# Altium PCB subboard.PcbDoc (part 2 of 2) (continued)
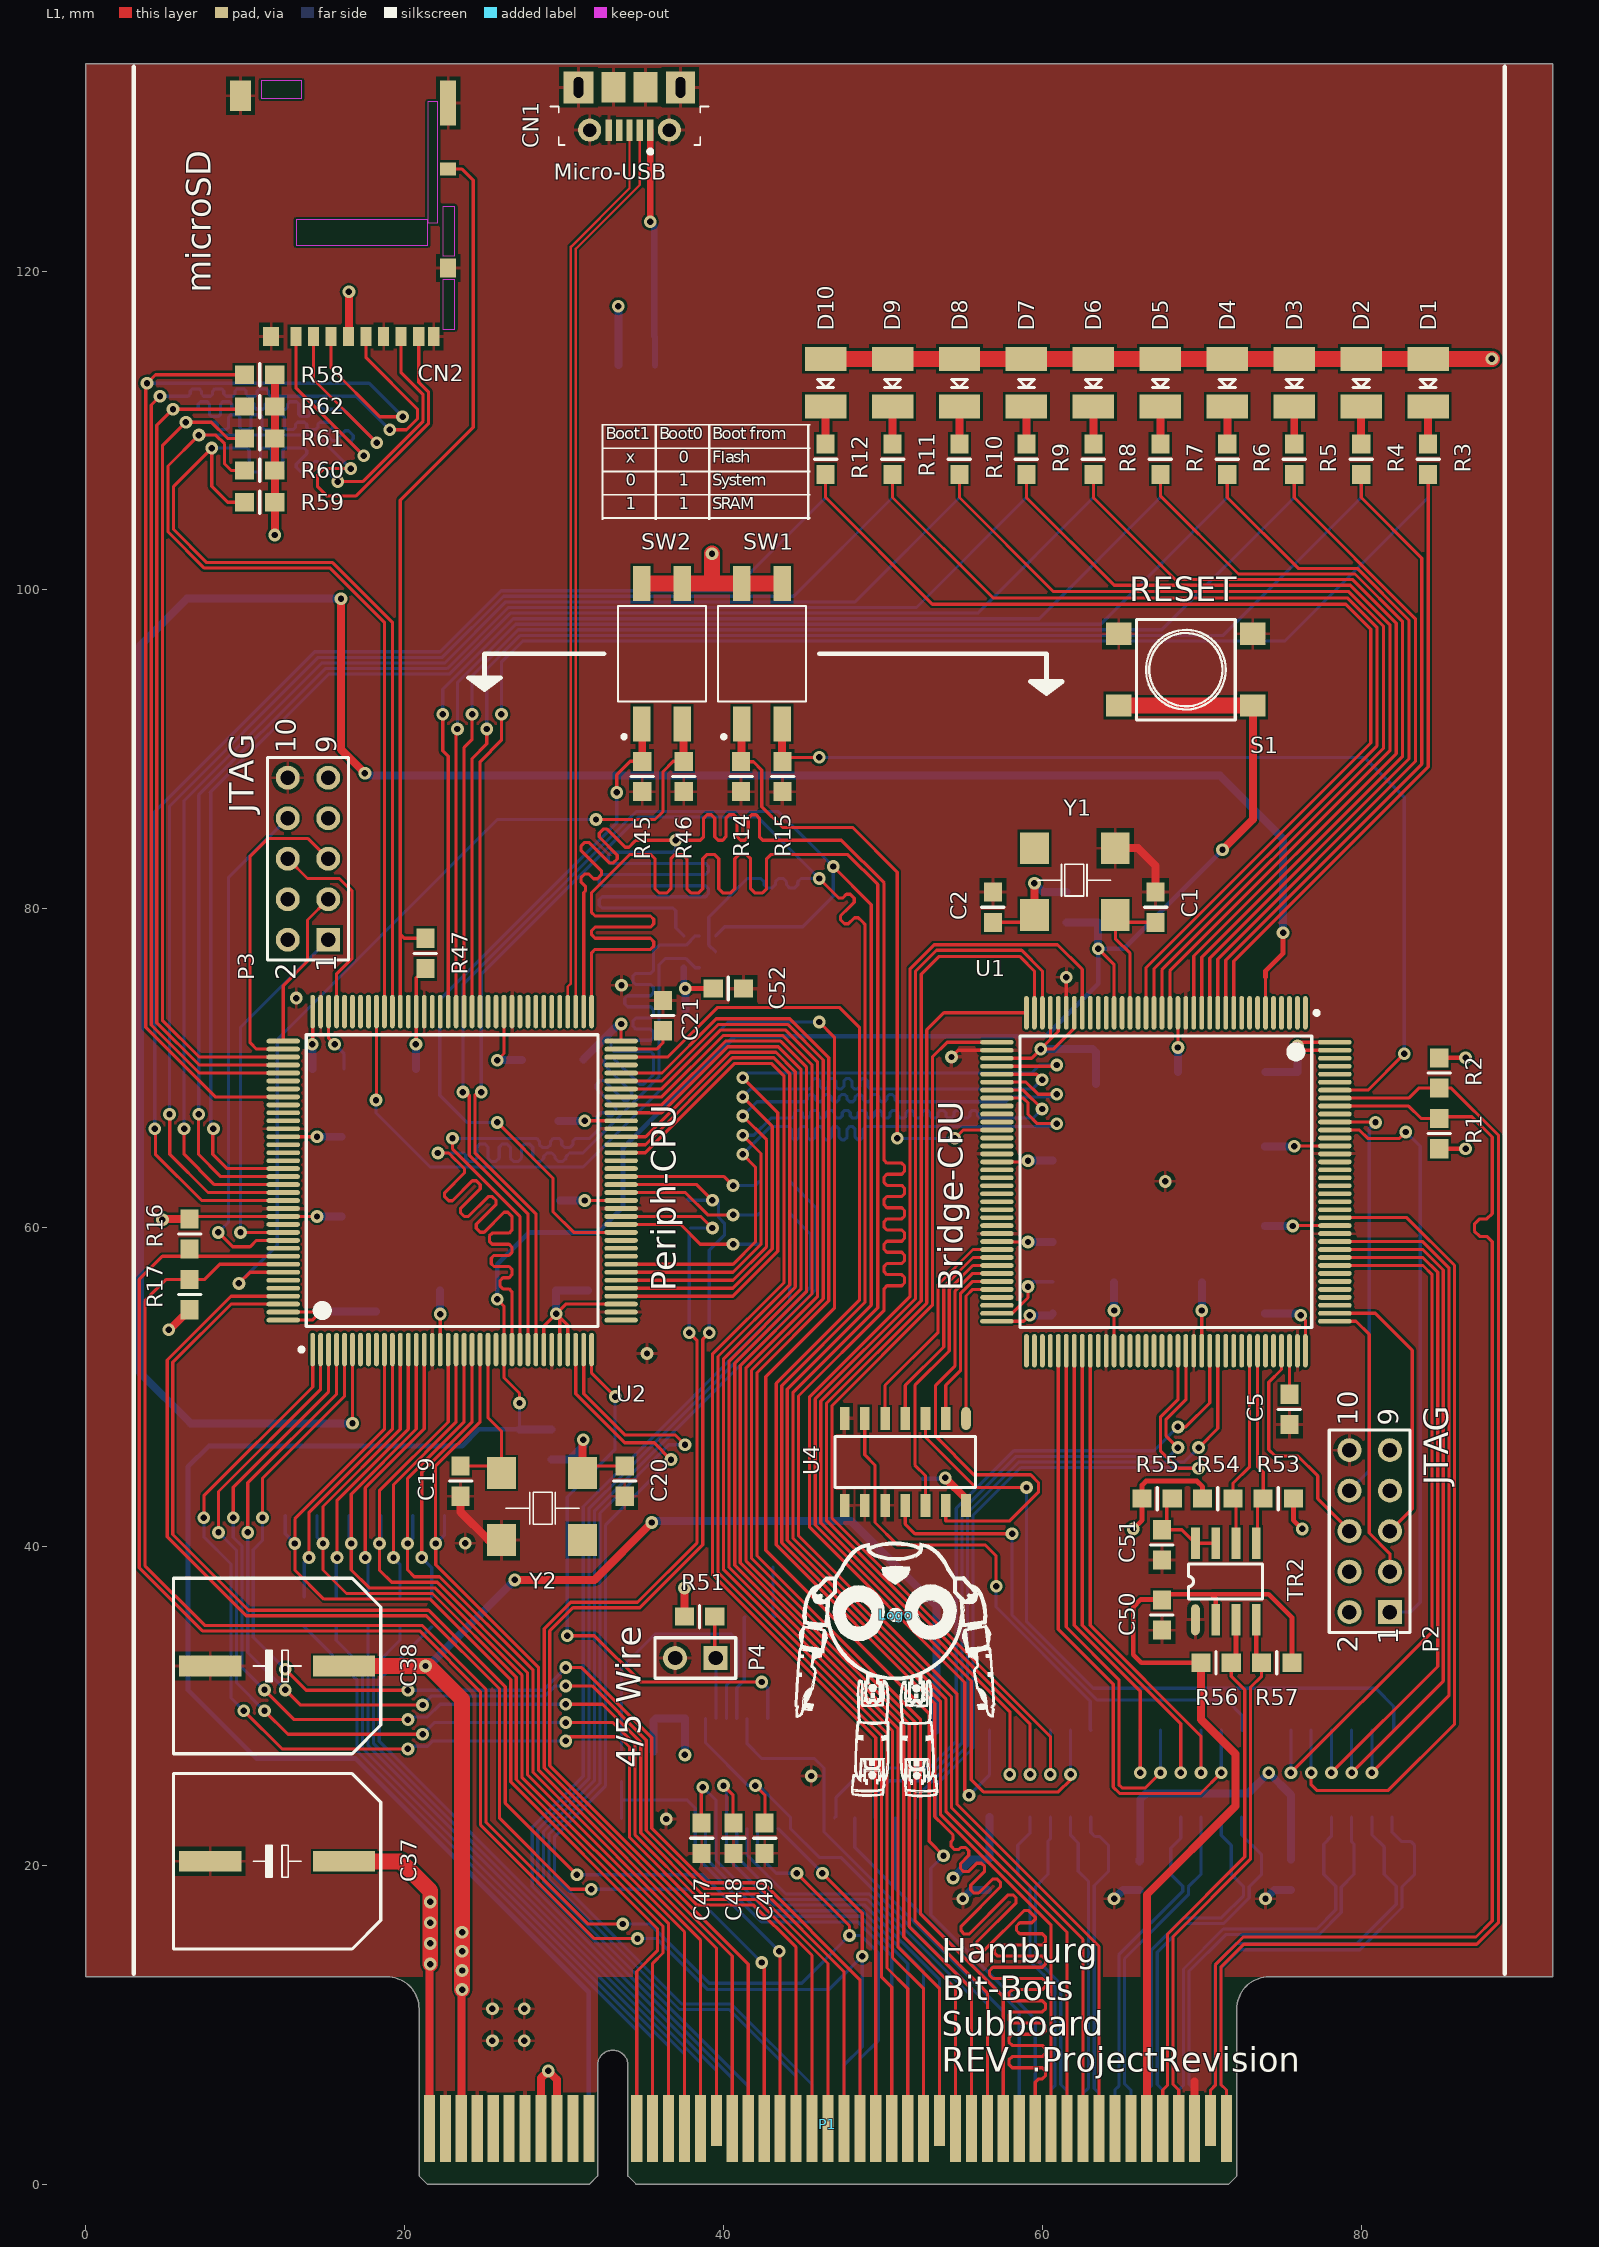
[diagram p0: L1 view]
## Nets (pads, with @x,y where several pads share a name; then routed paths per layer and width w, separated by ;. In a path a pad name is that pad's centre, name@x,y a point inside that pad or via, vN(x,y) a via of type N, cw(c..) or ccw(c..) an arc to the next point about the centre after c; other vN are vias at no path point) (continued)
  L4 w0.2: v1(24.8,68.5) 24.8,75.9 34.65,85.75 42.15,85.75 v1(46,81.9) 44.9,81.9 44.859,81.9 44.649,81.69 44.649,81.51 44.439,81.3 44.159,81.3 43.949,81.51 43.949,81.69 43.739,81.9 43.459,81.9 43.249,81.69 43.249,81.51 43.039,81.3 42.759,81.3 42.549,81.51 42.549,81.69 42.339,81.9 41.849,81.9 41.499,81.9 39.075,79.476 39.075,77.725 U7.D3@39.5,77.3
SPI1_1.\SS: U1.40 U2.40 | length 46.7
  L1 w0.2: U2.40@33.575,55.7 40.58,55.7 43.4,58.52 43.4,67.2 v1(41.2,69.4) ; U1.40@57.15,70.125 60.637,70.125 60.731,70.031 v1(60.9,70.2)
  L4 w0.2: v1(41.2,69.4) 41.5,69.7 59.339,69.7 59.839,70.2 v1(60.9,70.2)
SPI1_1.GPIO: U1.44 U2.44 | length 46.6
  L1 w0.2: U2.44@33.575,57.7 40.6,57.7 42,59.1 42,63.8 v1(41.2,64.6) ; U1.44@57.15,68.125 58.803,68.125 59.1,67.828 59.1,67.1 59.677,66.523 v1(60.9,66.523)
  L4 w0.2: v1(41.2,64.6) 42.95,66.35 43.5,66.35 43.75,66.35 44.075,66.35 44.25,66.175 44.25,65.675 44.425,65.5 44.575,65.5 44.75,65.675 44.75,66.175 44.925,66.35 45.075,66.35 45.25,66.175 45.25,65.675 45.425,65.5 45.575,65.5 45.75,65.675 45.75,66.175 45.925,66.35 46.075,66.35 46.25,66.175 46.25,65.675 46.425,65.5 46.575,65.5 46.75,65.675 46.75,66.175 46.925,66.35 47.075,66.35 47.25,66.175 47.25,65.675 47.425,65.5 47.575,65.5 47.75,65.675 47.75,66.175 47.925,66.35 48.075,66.35 48.25,66.175 48.25,65.675 48.425,65.5 48.575,65.5 48.75,65.675 48.75,66.175 48.925,66.35 49.25,66.35 49.7,66.35 60.727,66.35 v1(60.9,66.523)
SPI1_1.MISO: U1.42 U2.42 | length 46.4
  L1 w0.2: U2.42@33.575,56.7 40.59,56.7 42.7,58.81 42.7,65.5 v1(41.2,67) ; U1.42@57.15,69.125 58.975,69.125 59.738,68.362 v1(60.9,68.362)
  L4 w0.2: v1(41.2,67) 42.1,67.9 45,67.9 45.1,67.9 45.25,68.05 45.25,68.2 45.4,68.35 45.6,68.35 45.75,68.2 45.75,68.05 45.9,67.9 46.1,67.9 46.25,68.05 46.25,68.2 46.4,68.35 46.6,68.35 46.75,68.2 46.75,68.05 46.9,67.9 47.1,67.9 47.25,68.05 47.25,68.2 47.4,68.35 47.6,68.35 47.75,68.2 47.75,68.05 47.9,67.9 48.1,67.9 48.25,68.05 48.25,68.2 48.4,68.35 48.6,68.35 48.75,68.2 48.75,68.05 48.9,67.9 49.1,67.9 49.25,68.05 49.25,68.2 49.4,68.35 49.6,68.35 49.75,68.2 49.75,68.05 49.9,67.9 50.1,67.9 50.25,68.05 50.25,68.2 50.4,68.35 50.6,68.35 50.75,68.2 50.75,68.05 50.9,67.9 51.25,67.9 51.3,67.9 57.7,67.9 57.992,68.192 60.731,68.192 v1(60.9,68.362)
SPI1_1.MOSI: U1.43 U2.43 | length 46.8
  L1 w0.2: U2.43@33.575,57.2 40.595,57.2 42.35,58.955 42.35,64.65 v1(41.2,65.8) ; U1.43@57.15,68.625 58.798,68.625 v1(59.981,67.442)
  L4 w0.2: v1(41.2,65.8) 41.905,65.8 42.978,66.873 44.2,66.873 44.3,66.873 44.45,67.023 44.45,67.2 44.6,67.35 44.8,67.35 44.95,67.2 44.95,67.023 45.1,66.873 45.3,66.873 45.45,67.023 45.45,67.2 45.6,67.35 45.8,67.35 45.95,67.2 45.95,67.023 46.1,66.873 46.3,66.873 46.45,67.023 46.45,67.2 46.6,67.35 46.8,67.35 46.95,67.2 46.95,67.023 47.1,66.873 47.3,66.873 47.45,67.023 47.45,67.2 47.6,67.35 47.8,67.35 47.95,67.2 47.95,67.023 48.1,66.873 48.3,66.873 48.45,67.023 48.45,67.2 48.6,67.35 48.8,67.35 48.95,67.2 48.95,67.023 49.1,66.873 49.3,66.873 49.45,67.023 49.45,67.2 49.6,67.35 49.8,67.35 49.95,67.2 49.95,67.023 50.1,66.873 50.3,66.873 50.45,67.023 50.45,67.2 50.6,67.35 50.8,67.35 50.95,67.2 50.95,67.023 51.1,66.873 51.3,66.873 51.45,67.023 51.45,67.2 51.6,67.35 51.8,67.35 51.95,67.2 51.95,67.023 52.1,66.873 52.3,66.873 52.45,67.023 52.45,67.2 52.6,67.35 52.8,67.35 52.95,67.2 52.95,67.023 53.1,66.873 53.3,66.873 53.45,67.023 53.45,67.2 53.6,67.35 53.8,67.35 53.95,67.2 53.95,67.023 54.1,66.873 54.3,66.873 54.45,67.023 54.45,67.2 54.6,67.35 54.8,67.35 54.95,67.2 54.95,67.023 55.1,66.873 55.3,66.873 55.45,67.023 55.45,67.2 55.6,67.35 55.8,67.35 55.95,67.2 55.95,67.023 56.1,66.873 56.2,66.873 59.412,66.873 v1(59.981,67.442)
SPI1_1.SCK: U1.41 U2.41 | length 46.8
  L1 w0.2: U2.41@33.575,56.2 40.585,56.2 43.05,58.665 43.05,66.35 v1(41.2,68.2) ; U1.41@57.15,69.625 59.637,69.625 v1(59.981,69.281)
  L4 w0.2: v1(41.2,68.2) 41.7,68.7 45.3,68.7 45.4,68.7 45.55,68.85 45.55,69.2 45.7,69.35 45.9,69.35 46.05,69.2 46.05,68.85 46.2,68.7 46.4,68.7 46.55,68.85 46.55,69.2 46.7,69.35 46.9,69.35 47.05,69.2 47.05,68.85 47.2,68.7 47.4,68.7 47.55,68.85 47.55,69.2 47.7,69.35 47.9,69.35 48.05,69.2 48.05,68.85 48.2,68.7 48.4,68.7 48.55,68.85 48.55,69.2 48.7,69.35 48.9,69.35 49.05,69.2 49.05,68.85 49.2,68.7 49.55,68.7 49.8,68.7 59.4,68.7 v1(59.981,69.281)
SPI2.\SS: P1.B40 U2.73 | length 146.4
  L1 w0.2: U2.73@31.725,73.55 31.725,76.4 31.725,76.75 31.725,77.24 31.935,77.45 35.415,77.45 35.625,77.66 35.625,77.94 35.415,78.15 31.935,78.15 31.725,78.36 31.725,78.64 31.935,78.85 35.415,78.85 35.625,79.06 35.625,79.34 35.415,79.55 31.935,79.55 31.725,79.76 31.725,80.1 31.725,81.025 34.1,83.4 34.2,83.4 34.7,83.4 35.45,83.4 35.7,83.15 35.7,81.25 35.95,81 36.45,81 36.7,81.25 36.7,83.15 36.95,83.4 37.45,83.4 37.7,83.15 37.7,81.25 37.95,81 38.45,81 38.7,81.25 38.7,83.15 38.95,83.4 39.45,83.4 39.7,83.15 39.7,81.25 39.95,81 40.45,81 40.7,81.25 40.7,83.15 40.95,83.4 41.45,83.4 41.7,83.15 41.7,81.25 41.95,81 42.45,81 42.7,81.25 42.7,83.15 42.95,83.4 43,83.4 47.8,83.4 49.669,81.531 49.669,54.972 44.35,49.653 44.35,40.53 54.3,30.58 54.3,23.597 62.55,15.347 P1.B40@62.55,3.5
SPI2.GPIO: P1.B37 U2.70 | length 146.5
  L1 w0.2: U2.70@33.575,70.7 36.5,70.7 39.6,73.8 47.3,73.8 48.519,72.581 48.519,55.448 43.3,50.229 43.3,40.095 53.25,30.145 53.25,23.05 53.8,22.5 54.047,22.253 54.394,21.906 54.394,21.609 54.271,21.486 54.271,21.189 54.469,20.991 54.766,20.991 54.889,21.114 55.186,21.114 55.384,20.916 55.384,20.619 54.861,20.096 54.861,19.799 55.059,19.601 55.356,19.601 55.879,20.124 56.176,20.124 56.374,19.926 56.374,19.629 55.501,18.756 55.501,18.459 55.699,18.261 55.996,18.261 56.869,19.134 57.166,19.134 57.364,18.936 57.364,18.639 54.903,16.178 54.903,15.881 55.101,15.683 55.398,15.683 57.859,18.144 58.156,18.144 58.354,17.946 58.354,17.649 55.893,15.189 55.893,14.892 56.091,14.694 56.388,14.694 58.849,17.154 59.146,17.154 59.492,16.808 59.55,16.75 59.55,16.61 59.34,16.4 58.589,16.4 58.379,16.19 58.379,15.91 58.589,15.7 59.55,15.7 59.99,15.7 60.2,15.49 60.2,15.21 59.99,15 59.55,15 57.189,15 56.979,14.79 56.979,14.51 57.189,14.3 59.55,14.3 59.99,14.3 60.2,14.09 60.2,13.81 59.99,13.6 59.55,13.6 56.895,13.6 56.685,13.39 56.685,13.11 56.895,12.9 59.55,12.9 59.99,12.9 60.2,12.69 60.2,12.41 59.99,12.2 59.55,12.2 58.11,12.2 57.9,11.99 57.9,11.71 58.11,11.5 59.55,11.5 59.99,11.5 60.2,11.29 60.2,11.01 59.99,10.8 59.55,10.8 58.11,10.8 57.9,10.59 57.9,10.31 58.11,10.1 59.55,10.1 59.99,10.1 60.2,9.89 60.2,9.61 59.99,9.4 59.55,9.4 58.11,9.4 57.9,9.19 57.9,8.91 58.11,8.7 59.55,8.7 59.99,8.7 60.2,8.49 60.2,8.21 59.99,8 59.55,8 58.11,8 57.9,7.79 57.9,7.51 58.11,7.3 59.55,7.3 59.99,7.3 60.2,7.09 60.2,6.81 59.99,6.6 59.76,6.6 59.55,6.39 59.55,6.1 P1.B37@59.55,3.5
SPI2.SCK: P1.B41 U2.74 U7.B2 | length 187.4
  L1 w0.2: U2.74@31.225,73.55 31.225,81.02 31.349,81.144 31.349,81.391 31.051,81.689 31.051,81.936 31.299,82.184 31.546,82.184 31.844,81.886 32.091,81.886 32.339,82.134 32.339,82.381 31.051,83.669 31.051,83.916 31.299,84.164 31.546,84.164 32.834,82.876 33.081,82.876 33.329,83.124 33.329,83.371 32.198,84.502 32.198,84.749 32.445,84.997 32.693,84.997 33.824,83.866 34.071,83.866 34.405,84.2 34.505,84.3 v1(37,84.3) 38.4,84.3 38.54,84.3 38.75,84.51 38.75,85.69 38.96,85.9 39.24,85.9 39.45,85.69 39.45,84.51 39.66,84.3 39.94,84.3 40.15,84.51 40.15,85.69 40.36,85.9 40.64,85.9 40.85,85.69 40.85,84.51 41.06,84.3 41.34,84.3 41.55,84.51 41.55,85.69 41.76,85.9 42.04,85.9 42.25,85.69 42.25,84.51 42.46,84.3 42.95,84.3 43.4,84.3 47.395,84.3 50.069,81.626 50.069,64.6 50.069,64.225 50.244,64.05 51.175,64.05 51.35,63.875 51.35,63.525 51.175,63.35 50.244,63.35 50.069,63.175 50.069,62.825 50.244,62.65 51.175,62.65 51.35,62.475 51.35,62.125 51.175,61.95 50.244,61.95 50.069,61.775 50.069,61.425 50.244,61.25 51.175,61.25 51.35,61.075 51.35,60.725 51.175,60.55 50.244,60.55 50.069,60.375 50.069,60.025 50.244,59.85 51.175,59.85 51.35,59.675 51.35,59.325 51.175,59.15 50.244,59.15 50.069,58.975 50.069,58.625 50.244,58.45 51.175,58.45 51.35,58.275 51.35,57.925 51.175,57.75 50.244,57.75 50.069,57.575 50.069,57.225 50.244,57.05 51.175,57.05 51.35,56.875 51.35,56.525 51.175,56.35 50.244,56.35 50.069,56.175 50.069,55.65 50.069,55.3 50.069,54.806 44.7,49.437 44.7,40.675 54.65,30.725 54.65,23.813 63.55,14.913 P1.B41@63.55,3.5
  L4 w0.2: v1(37,84.3) 37,84.25 37,83.725 36.825,83.55 32.945,83.55 32.77,83.375 32.77,83.025 32.945,82.85 37,82.85 38.875,82.85 39.05,82.675 39.05,82.325 38.875,82.15 37,82.15 32.375,82.15 32.2,81.975 32.2,81.625 32.375,81.45 37,81.45 38.875,81.45 39.05,81.275 39.05,80.925 38.875,80.75 37,80.75 32.375,80.75 32.2,80.575 32.2,80.225 32.375,80.05 36.825,80.05 37,79.875 37,79.7 37,78.8 U7.B2@37.5,78.3
SRL1: TR11.6 U4.6 | length 28.6
  L1 w0.2: U4.6@48.86,48.025 48.86,45.74 49.5,45.1 49.5,41.5 50.9,40.1 56.4,40.1 57.1,39.4 v1(57.1,37.5)
  L4 w0.2: v1(57.1,37.5) 57.1,36.2 63,30.3 63,28.515 TR11.6@63.04,28.475
SRL2: TR12.6 U4.11 | length 31.2
  L1 w0.2: U4.11@51.4,42.575 51.4,41.4 52,40.8 v1(58.1,40.8)
  L4 w0.2: v1(58.1,40.8) 58.1,35.695 63.42,30.375 71.556,30.375 72.54,29.391 TR12.6@72.54,28.475
SRL3: TR13.6 U4.3 | length 43.9
  L1 w0.2: U4.3@52.67,48.025 52.67,46.859 55.829,43.7 v1(59,43.7)
  L4 w0.2: v1(59,43.7) 59,35.3 63.2,31.1 80.9,31.1 82.04,29.96 TR13.6@82.04,28.475
TOUCHSCREEN.5WSX-: C47.2 P1.A30 U6.17 | length 33
  L1 w0.2: C47.2@38.6,22.65 38.6,24.8 v1(38.7,24.9)
  L4 w0.2: v1(38.7,24.9) 39.525,24.075 U6.17@39.525,22.3 39.525,20.317 42.692,17.15 48.716,17.15 52.55,13.316 P1.A30@52.55,3.5
TOUCHSCREEN.SX+: P1.A33 U6.14 | length 27.7
  L4 w0.2: U6.14@41.475,22.3 41.475,20.635 43.91,18.2 49.151,18.2 55.55,11.801 P1.A33@55.55,3.5
TOUCHSCREEN.SY+: P1.A35 U6.7 | length 34.3
  L4 w0.2: U6.7@41.475,29.2 41.475,27.625 42.4,26.7 45.7,26.7 46.3,26.1 46.3,22.1 57.55,10.85 P1.A35@57.55,3.5
TOUCHSCREEN.SY-: C49.2 P1.A34 U6.3 | length 36.8
  L1 w0.2: v1(42,25) 42.6,24.4 C49.2@42.6,22.65
  L4 w0.2: U6.3@38.875,29.2 38.875,27.67 41.545,25 v1(42,25) 42.222,25 44.2,23.022 44.2,22.3 46.007,20.493 47.352,20.493 56.55,11.296 P1.A34@56.55,3.5
TOUCHSCREEN.X+: P1.A29 U6.18 | length 27.6
  L4 w0.2: U6.18@38.875,22.3 38.875,20.441 42.516,16.8 48.571,16.8 51.55,13.821 P1.A29@51.55,3.5
TOUCHSCREEN.X-: C46.2 P1.A28 R52.1 U6.19 | length 35.9
  L4 w0.2: C46.2@33.6,22.95 33.6,24.1 ; R52.1@33.6,25.25 33.6,24.1 ; P1.A28@50.55,3.5 50.55,14.326 48.426,16.45 42.371,16.45 38.225,20.596 U6.19@38.225,22.3 38.225,23.575 37.7,24.1 33.6,24.1
TOUCHSCREEN.Y+: P1.A32 U6.15 | length 27.7
  L4 w0.2: U6.15@40.825,22.3 40.825,20.525 43.5,17.85 49.006,17.85 54.55,12.306 P1.A32@54.55,3.5
TOUCHSCREEN.Y-: C48.2 P1.A31 U6.16 | length 33
  L1 w0.2: v1(40,25) 40.6,24.4 C48.2@40.6,22.65
  L4 w0.2: v1(40,25) 40.175,24.825 U6.16@40.175,22.3 40.175,20.525 43.2,17.5 48.861,17.5 53.55,12.811 P1.A31@53.55,3.5
TRI1.A: U1.63 U4.5 | length 14.4
  L1 w0.2: U4.5@50.13,48.025 50.13,50.1 53.46,53.43 53.46,56.435 55.65,58.625 U1.63@57.15,58.625
TRI1.OE: U1.64 U4.4 | length 13.4
  L1 w0.2: U4.4@51.4,48.025 51.4,50.1 53.81,52.51 53.81,56.29 55.645,58.125 U1.64@57.15,58.125
TRI2.A: U1.65 U4.12 | length 18.3
  L1 w0.2: U4.12@52.67,42.575 52.67,44.43 52,45.1 52,50.1 54.16,52.26 54.16,56.145 55.64,57.625 U1.65@57.15,57.625
TRI2.OE: U1.66 U4.13 | length 28.5
  L1 w0.2: U4.13@53.94,42.575 53.94,41.6 57.961,41.6 59.75,43.389 59.75,44.011 59.261,44.5 55.7,44.5 53.3,46.9 53.3,50.1 54.51,51.31 54.51,56 55.635,57.125 U1.66@57.15,57.125
TRI3.A: U1.67 U4.2 | length 10.8
  L1 w0.2: U4.2@53.94,48.025 53.94,50.1 54.86,51.02 54.86,55.855 55.63,56.625 U1.67@57.15,56.625
TRI3.OE: U1.68 U4.1 | length 9.9
  L1 w0.2: U4.1@55.3,48.115 U4.1@55.21,48.025 55.21,55.71 55.625,56.125 U1.68@57.15,56.125
TTL_BRIDGE.EN_RX: U1.93 U5.4 | length 44.9
  L1 w0.2: v1(68.5,46.2) 67.75,46.95 67.75,47.95 69,49.2 U1.93@69,52.275
  L4 w0.2: U5.4@49.5,22.975 49.5,24.4 50.4,25.3 52.605,25.3 54.95,27.645 54.95,42.24 58.36,45.65 67.95,45.65 v1(68.5,46.2)
TTL_BRIDGE.EN_TX: U1.92 U5.1 | length 44.9
  L1 w0.2: U1.92@68.5,52.275 68.5,49.2 67.4,48.1 67.4,46 68.5,44.9 v1(69.8,44.9)
  L4 w0.2: U5.1@53.31,22.975 53.31,25.015 55.65,27.355 55.65,41.95 58.65,44.95 69.75,44.95 v1(69.8,44.9)
TTL_BRIDGE.UART.RX: U1.97 U5.2 | length 43.2
  L1 w0.2: v1(69.8,46.2) 71,47.4 U1.97@71,52.275
  L4 w0.2: U5.2@52.04,22.975 52.04,24.24 55.3,27.5 55.3,42.095 58.505,45.3 68.9,45.3 v1(69.8,46.2)
TTL_BRIDGE.UART.TX: U1.96 U5.6 | length 46.8
  L1 w0.2: v1(68.5,47.5) 69,47.5 70.5,49 U1.96@70.5,52.275
  L4 w0.2: U5.6@46.96,22.975 47.06,23.075 47.06,24.26 48.9,26.1 52.91,26.1 54.6,27.79 54.6,42.385 58.215,46 67,46 v1(68.5,47.5)
TTL_DATA: P1.A36 U5.3 U5.5 | length 28.1
  L4 w0.2: U5.5@48.23,22.975 48.23,21.12 50.75,18.6 ; U5.3@50.77,22.975 50.77,18.62 50.75,18.6 ; P1.A36@58.55,3.5 58.55,10.8 50.75,18.6
TTS.RX: P1.A22 U2.35 | length 65.7
  L1 w0.2: U2.35@31.225,52.35 31.225,49.575 33.8,47 36.956,47 v1(37.578,46.378)
  L4 w0.2: v1(37.578,46.378) 36.553,46.378 34.5,44.325 34.5,44.32 32.25,42.07 32.25,25.145 29.05,21.945 29.05,19.135 37.235,10.95 40.35,10.95 44.55,6.75 P1.A22@44.55,3.5
TTS.TX: P1.A23 U2.34 | length 63.9
  L1 w0.2: U2.34@30.725,52.35 30.725,49.58 33.805,46.5 35.65,46.5 v1(36.7,45.45)
  L4 w0.2: v1(36.7,45.45) 32.6,41.35 32.6,25 29.4,21.8 29.4,19.28 37.38,11.3 40.495,11.3 45.55,6.245 P1.A23@45.55,3.5
UART1.RX: R53.2 TR2.5 U1.102 | length 12.2
  L1 w0.2: TR2.5@73.5,40.29 R53.2@73.5,43.1 ; U1.102@73.5,52.275 73.5,45 73.85,44.65 R53.2@73.85,43
UART1.TX: R54.2 TR2.6 U1.101 | length 12.6
  L1 w0.2: TR2.6@72.14,40.2 72.14,42.81 R54.2@71.95,43 71.95,43.95 73,45 U1.101@73,52.275
UART-ODROID.RX: P1.B45 R56.1 TR2.3 | length 34.2
  L1 w0.2: P1.B45@67.55,3.5 67.55,5.9 67.85,6.2 67.85,15.674 72.7,20.524 72.7,31 71.85,31.85 R56.1@71.85,32.7
  L1 w0.3: R56.1@72.14,32.89 TR2.3@72.14,35.4
UART-ODROID.TX: P1.B46 R57.1 TR2.4 | length 33.9
  L1 w0.2: P1.B46@68.55,3.5 68.55,5.9 68.2,6.25 68.2,15.529 73.05,20.379 73.05,31.15 73.75,31.85 R57.1@73.75,32.7
  L1 w0.3: R57.1@73.41,33.14 TR2.4@73.41,35.4
USB.D_N: CN1.2 U2.75 | length 57
  L1 w0.152: U2.75@30.725,73.55 30.725,121.397 34.75,125.422 CN1.2@34.75,128.85
USB.D_P: CN1.3 U2.76 | length 56.9
  L1 w0.152: U2.76@30.225,73.55 30.225,75.125 30.423,75.323 30.423,121.523 34.1,125.2 CN1.3@34.1,128.85
USB_VBUS: C39.2 CN1.1 U3.3 | length 14.9
  L1 w0.4: v1(35.4,123.1) CN1.1@35.4,128.85
  L4 w0.4: v1(35.4,123.1) 35.65,122.85 C39.2@35.65,115.925 35.7,115.875 U3.3@35.7,114.1
VBAT: BT1.1 U1.6 U2.6 | length 160.9
  L1 w0.2: v1(16.725,47.725) U2.6@16.725,52.35 ; U1.6@74,73.475 74,75.7
  L1 w0.3: 74,75.7 74,76.1 75.1,77.2 v1(75.1,78.5)
  L1 w0.5: v1(16,99.45) 16,90 v1(17.5,88.5)
  L4 w0.5: v1(16,99.45) 6.35,99.45 3.4,96.5 3.4,50.9 6.575,47.725 v1(16.725,47.725) ; v1(17.5,88.5) 17.65,88.35 71.15,88.35 75.1,84.4 v1(75.1,78.5)
Y1_N: P1.A40 R491.2 TR11.10 | length 20.1
  L4 w0.2: TR11.10@61.77,23.025 61.77,21.88 62.25,21.4 R491.2@62.25,20.3 62.25,19.63 62.9,18.98 62.9,6.05 62.55,5.7 P1.A40@62.55,3.5
Y1_P: P1.A41 R491.1 TR11.9 | length 20.7
  L4 w0.2: TR11.9@63.04,23.025 63.04,22.06 63.295,21.805 63.595,21.805 64.15,21.25 R491.1@64.15,20.3 64.15,19.63 63.25,18.73 63.25,6 63.55,5.7 P1.A41@63.55,3.5
Y2_N: P1.A44 R492.2 TR12.10 | length 24
  L4 w0.2: P1.A44@66.55,3.5 66.55,5.9 66.85,6.2 66.85,14.695 68.855,16.7 71.225,16.7 72.625,18.1 72.625,18.655 71.85,19.43 R492.2@71.85,20.3 71.85,21.25 71.22,21.88 TR12.10@71.22,23.025
Y2_P: P1.A45 R492.1 TR12.9 | length 24.3
  L4 w0.2: P1.A45@67.55,3.5 67.55,5.9 67.2,6.25 67.2,14.55 69,16.35 71.37,16.35 72.975,17.955 72.975,18.655 73.75,19.43 R492.1@73.75,20.3 73.75,20.66 72.49,21.92 TR12.9@72.49,23.025
Y3_N: P1.A48 R493.2 TR13.10 | length 29.4
  L4 w0.2: P1.A48@70.55,3.5 70.55,5.9 70.84,6.19 70.84,13.749 72.19,15.1 79.744,15.1 82.2,17.556 82.2,18.68 81.45,19.43 R493.2@81.45,20.3 81.45,21.15 80.67,21.93 TR13.10@80.67,23.025
Y3_P: P1.A49 R493.1 TR13.9 | length 30.1
  L4 w0.2: P1.A49@71.55,3.5 71.55,5.9 71.2,6.25 71.2,13.544 72.356,14.7 79.91,14.7 82.56,17.351 82.56,18.64 83.35,19.43 R493.1@83.35,20.3 83.35,21.25 83.1,21.5 82.5,21.5 81.94,22.06 TR13.9@81.94,23.025
pads on no net: CN1.4 P1.A10 P1.A20 P1.A21 P1.A24 P1.A27 P1.B5 P1.B6 P1.B10 P1.B11 P1.B36 P1.B42 P1.B43 P2.4 P2.7 P2.9 P3.4 P3.7 P3.9 TR11.8 TR11.13 TR12.8 TR12.13 TR13.8 TR13.13 U1.1 U1.2 U1.3 U1.4 U1.5 U1.7 U1.8 U1.9 U1.22 U1.24 U1.26 U1.27 U1.28 U1.45 U1.46 U1.47 U1.49 U1.50 U1.53 U1.54 U1.55 U1.56 U1.57 U1.58 U1.59 U1.60 U1.69 U1.70 U1.73 U1.74 U1.75 U1.76 U1.82 U1.85 U1.86 U1.87 U1.88 U1.89 U1.90 U1.91 U1.98 U1.99 U1.100 U1.103 U1.104 U1.111 U1.112 U1.113 U1.114 U1.115 U1.123 U1.124 U1.125 U1.126 U1.127 U1.128 U1.129 U1.132 U1.135 U1.139 U1.140 U1.141 U1.142 U2.7 U2.8 U2.9 U2.24 U2.37 U2.45 U2.46 U2.47 U2.56 U2.57 U2.69 U2.77 U2.78 U2.79 U2.80 U2.81 U2.82 U2.85 U2.86 U2.92 U2.93 U2.96 U2.101 U2.102 U2.103 U2.104 U2.114 U2.115 U2.117 U2.118 U2.119 U2.122 U2.123 U2.124 U2.132 U2.135 U2.139 U2.140 U6.10 U6.12 U7.A1 U7.A2 U7.A3 U7.A4 U7.B1 U7.C1 U7.C3 U7.D1 U7.D4 U7.E1 U7.E2 U7.E3 U7.E4 U7.F1 U7.F2 U7.F3 U7.F4 Y1.1 Y2.1

## Polygon pours and split planes (outlines as drawn)
GND on L4 "Bottom - GND" (solid, remove dead copper, pour order 6): 0,133 0,13 92,13 92,133
GND on L4 "Bottom - GND connector" (solid, remove dead copper, pour order 10): 21.958,13.4 21.958,1.4 32.1,1.4 32.1,13.4
GND on L1 "Top - Bottom Gnd" (solid, pour order 9): 68.455,13 68.455,2.145 69.2,1.4 69.9,1.4 70.595,2.095 70.595,13
GND on L1 "TOP - GND" (solid, remove dead copper, pour order 7): 0,133 0,13 92,13 92,133
GND on L1 "TOP - GND connector" (solid, remove dead copper, pour order 8): 21.958,13.1 21.958,1.4 32.1,1.4 32.1,13.1
+3V3 on L2 (VCC) (split plane): 91.49,13.51 74.2,13.51 74.199,13.51 73.981,13.501 73.764,13.472 73.55,13.425 73.341,13.359 73.139,13.275 72.945,13.174 72.76,13.056 72.586,12.923 72.425,12.775 72.277,12.614 72.144,12.44 72.026,12.255 71.925,12.061 71.841,11.859 71.775,11.65 71.728,11.436 71.699,11.219 71.69,11.001 71.69,11 71.69,0.711 71.489,0.51 34.711,0.51 34.51,0.711 34.51,7.45 34.51,7.454 34.501,7.614 34.474,7.775 34.428,7.932 34.366,8.084 34.286,8.227 34.192,8.36 34.083,8.483 33.961,8.592 33.827,8.686 33.684,8.766 33.532,8.828 33.375,8.874 33.214,8.901 33.05,8.91 32.887,8.901 32.725,8.874 32.568,8.828 32.416,8.766 32.273,8.686 32.14,8.592 32.017,8.483 31.908,8.36 31.814,8.227 31.734,8.084 31.672,7.932 31.626,7.775 31.599,7.614 31.593,7.505 31.592,7.502 31.592,7.493 31.59,7.454 31.59,7.45 31.59,0.711 31.389,0.51 21.611,0.51 21.41,0.711 21.41,11 21.41,11.002 21.401,11.219 21.372,11.436 21.325,11.65 21.259,11.859 21.175,12.061 21.074,12.255 20.956,12.44 20.823,12.614 20.675,12.775 20.514,12.923 20.34,13.056 20.155,13.174 19.961,13.275 19.759,13.359 19.55,13.425 19.336,13.472 19.119,13.501 18.901,13.51 18.9,13.51 0.51,13.51 0.51,132.49 91.49,132.49
GND on L3 (GND) (split plane): 91.49,13.51 74.2,13.51 74.199,13.51 73.981,13.501 73.764,13.472 73.55,13.425 73.341,13.359 73.139,13.275 72.945,13.174 72.76,13.056 72.586,12.923 72.425,12.775 72.277,12.614 72.144,12.44 72.026,12.255 71.925,12.061 71.841,11.859 71.775,11.65 71.728,11.436 71.699,11.219 71.69,11.001 71.69,11 71.69,0.711 71.489,0.51 34.711,0.51 34.51,0.711 34.51,7.45 34.51,7.454 34.501,7.614 34.474,7.775 34.428,7.932 34.366,8.084 34.286,8.227 34.192,8.36 34.083,8.483 33.961,8.592 33.827,8.686 33.684,8.766 33.532,8.828 33.375,8.874 33.214,8.901 33.05,8.91 32.887,8.901 32.725,8.874 32.568,8.828 32.416,8.766 32.273,8.686 32.14,8.592 32.017,8.483 31.908,8.36 31.814,8.227 31.734,8.084 31.672,7.932 31.626,7.775 31.599,7.614 31.593,7.505 31.592,7.502 31.592,7.493 31.59,7.454 31.59,7.45 31.59,0.711 31.389,0.51 21.611,0.51 21.41,0.711 21.41,11 21.41,11.002 21.401,11.219 21.372,11.436 21.325,11.65 21.259,11.859 21.175,12.061 21.074,12.255 20.956,12.44 20.823,12.614 20.675,12.775 20.514,12.923 20.34,13.056 20.155,13.174 19.961,13.275 19.759,13.359 19.55,13.425 19.336,13.472 19.119,13.501 18.901,13.51 18.9,13.51 0.51,13.51 0.51,132.49 91.49,132.49

## Silkscreen, mask and mechanical layers (free items; w line width, h text height)
Top Overlay:
  region: 45.375,104.549 45.453,104.549 45.453,104.476 45.375,104.476
  region: 45.375,106.01 45.453,106.01 45.453,105.937 45.375,105.937
  region: 45.375,107.47 45.453,107.47 45.453,107.397 45.375,107.397
  region: 45.375,108.931 45.453,108.931 45.453,108.858 45.375,108.858
  region: 45.375,110.391 45.453,110.391 45.453,110.318 45.375,110.318
  region: 45.297,104.476 45.375,104.476 45.375,104.403 45.297,104.403
  region: 39.072,104.476 39.15,104.476 39.15,104.403 39.072,104.403
  region: 35.726,104.476 35.804,104.476 35.804,104.403 35.726,104.403
  region: 32.38,104.476 32.458,104.476 32.458,104.403 32.38,104.403
  region: 45.297,110.318 45.375,110.318 45.375,104.476 45.297,104.476
  region: 32.458,104.549 45.375,104.549 45.375,104.476 32.458,104.476
  region: 39.072,110.318 39.15,110.318 39.15,104.476 39.072,104.476
  region: 35.726,110.318 35.804,110.318 35.804,104.476 35.726,104.476
  region: 32.38,110.391 32.458,110.391 32.458,104.476 32.38,104.476
  region: 32.458,106.01 45.375,106.01 45.375,105.937 32.458,105.937
  region: 32.458,107.47 45.375,107.47 45.375,107.397 32.458,107.397
  region: 32.458,108.931 45.375,108.931 45.375,108.858 32.458,108.858
  region: 32.458,110.391 45.375,110.391 45.375,110.318 32.458,110.318
  lines w0.078: 32.38,104.403 32.38,104.476 32.38,110.391 ; 32.458,104.549 45.375,104.549 45.453,104.549 ; 32.458,106.01 45.375,106.01 45.453,106.01 ; 32.458,107.47 45.375,107.47 45.453,107.47 ; 32.458,108.931 45.375,108.931 45.453,108.931 ; 32.458,110.391 45.375,110.391 45.453,110.391 ; 35.726,104.403 35.726,104.476 35.726,110.318 ; 39.072,104.403 39.072,104.476 39.072,110.318 ; 45.297,104.403 45.297,104.476 45.297,110.318
  lines w0.3: 3,13.2 3,132.8 ; 24.583,94.25 25.667,94.25 24.5,94.5 24.667,94 25,94 25.333,94 26,94.5 ; 32.5,96 25,96 25,93.75 ; 46,96 60.25,96 60.25,93.5 ; 60.667,94 59.583,94 60.75,94.25 60.583,93.75 60.25,93.75 59.917,93.75 59.25,94.25 ; 89,13.2 89,132.8 ; 25,93.75 26,94.5 ; 25,93.75 24,94.5 26,94.5 ; 59.25,94.25 61.25,94.25 60.25,93.5 ; 59.25,94.25 60.25,93.5
  text "B" at 32.613,109.202 h1.27
  text "o" at 33.198,109.202 h1.27
  text "o" at 33.782,109.202 h1.27
  text "t" at 34.366,109.202 h1.27
  text "1" at 34.731,109.202 h1.27
  text "B" at 35.959,109.202 h1.27
  text "o" at 36.544,109.202 h1.27
  text "o" at 37.128,109.202 h1.27
  text "t" at 37.712,109.202 h1.27
  text "0" at 38.077,109.202 h1.27
  text "B" at 39.305,109.202 h1.27
  text "o" at 39.89,109.202 h1.27
  text "o" at 40.474,109.202 h1.27
  text "t" at 41.058,109.202 h1.27
  text "f" at 41.642,109.202 h1.27
  text "r" at 42.007,109.202 h1.27
  text "o" at 42.372,109.202 h1.27
  text "m" at 42.957,109.202 h1.27
  text "x" at 33.858,107.742 h1.27
  text "0" at 37.204,107.742 h1.27
  text "F" at 39.305,107.742 h1.27
  text "l" at 39.817,107.742 h1.27
  text "a" at 40.109,107.742 h1.27
  text "s" at 40.62,107.742 h1.27
  text "h" at 41.058,107.742 h1.27
  text "0" at 33.858,106.282 h1.27
  text "1" at 37.204,106.282 h1.27
  text "S" at 39.305,106.282 h1.27
  text "y" at 39.817,106.282 h1.27
  text "s" at 40.328,106.282 h1.27
  text "t" at 40.766,106.282 h1.27
  text "e" at 41.131,106.282 h1.27
  text "m" at 41.715,106.282 h1.27
  text "1" at 33.858,104.821 h1.27
  text "1" at 37.204,104.821 h1.27
  text "S" at 39.305,104.821 h1.27
  text "R" at 39.817,104.821 h1.27
  text "A" at 40.401,104.821 h1.27
  text "M" at 41.058,104.821 h1.27
  text "Periph-CPU" at 37,56 h1.52 r90
  text "Bridge-CPU" at 55,56 h1.52 r90
  text "Hamburg" at 53.7,13.9 h1.52
  text "Bit-Bots" at 53.704,11.544 h1.52
  text "Subboard" at 53.7,9.294 h1.52
  text "REV" at 53.7,7.044 h1.52
  text ".ProjectRevision" at 59.304,7.044 h1.52
Bottom Overlay:
  lines w0.3: 3,13.2 3,132.8 ; 89,13.2 89,132.8
  text "nSS" at 39.9,69.1 h1
  text "SCK" at 39.9,67.7 h1
  text "INTER_SPI" at 50.5,66.5 h1
  text "MISO" at 39.9,66.4 h1
  text "MOSI" at 39.9,65.1 h1
  text "GPIO" at 39.9,63.8 h1
Mechanical 1:
  the board outline again, w0.1
DrillDrawing:
  circle w0.2: c2.512,156.288 r0.833
  lines w0.2: 1.679,148.372 2.096,148.372 2.512,147.955 2.929,148.372 3.346,148.372 2.929,148.788 3.346,149.205 2.929,149.205 2.512,149.622 2.096,149.205 1.679,149.205 2.096,148.788 1.679,148.372 ; 1.679,151.705 2.512,152.122 3.346,151.705 2.929,152.538 3.346,153.372 2.512,152.955 1.679,153.372 2.096,152.538 1.679,151.705 ; 1.679,160.872 3.346,160.872 2.512,159.205 1.679,160.872
  lines w0.4: 0.2,146.83 96.374,146.83 ; 0.2,161.83 96.374,161.83 ; 13.812,143.08 13.812,165.58 ; 31.097,143.08 31.097,165.58 ; 64.577,143.08 64.577,165.58 ; 77.064,143.08 77.064,165.58 ; 0.2,143.08 96.374,143.08 96.374,165.58 0.2,165.58 0.2,143.08
  text "Symbol" at 2.45,162.955 h1.8
  text "Hit Count" at 14.937,162.955 h1.8
  text "Finished Hole Size" at 32.222,162.955 h1.8
  text "Plated" at 65.702,162.955 h1.8
  text "Hole Type" at 78.189,162.955 h1.8
  text "212" at 14.937,159.205 h1.5
  text "0,4000mm" at 32.222,159.205 h1.5
  text "PTH" at 65.702,159.205 h1.5
  text "Round" at 78.189,159.205 h1.5
  text "2" at 14.937,155.455 h1.5
  text "0,6000mm" at 32.222,155.455 h1.5
  text "PTH" at 65.702,155.455 h1.5
  text "Slot" at 78.189,155.455 h1.5
  text "2" at 14.937,151.705 h1.5
  text "0,8500mm" at 32.222,151.705 h1.5
  text "PTH" at 65.702,151.705 h1.5
  text "Round" at 78.189,151.705 h1.5
  text "22" at 14.937,147.955 h1.5
  text "0,9000mm" at 32.222,147.955 h1.5
  text "PTH" at 65.702,147.955 h1.5
  text "Round" at 78.189,147.955 h1.5
  text "238 Total" at 14.937,144.205 h1.5
  text "Slot definitions :" at 2.45,140.681 h1.5
  text "Rout Path Length" at 28.127,140.681 h1.5
  text "= Calculated from tool start centre position to tool end centre position." at 52.555,140.681 h1.5
  text "Hole Length" at 28.127,138.281 h1.5
  text "= Rout Path Length + Tool Size = Slot length as defined in the PCB layout" at 45.307,138.281 h1.5

## Dimensions
0,13 to 92,13 on DrillDrawing
92.304,13 to 92.3,0 on DrillDrawing
92,133 to 92,13 on DrillDrawing

## Text inside footprints (layer, text, board x,y; h text height)
P2: Top Overlay "2" at 79.768,33.34 h1.27 r90; Top Overlay "1" at 82.308,33.848 h1.27 r90; Top Overlay "9" at 82.308,47.564 h1.27 r90; Top Overlay "10" at 79.768,47.564 h1.27 r90
P3: Top Overlay "2" at 13.168,75.52 h1.27 r90; Top Overlay "1" at 15.708,76.028 h1.27 r90; Top Overlay "9" at 15.708,89.744 h1.27 r90; Top Overlay "10" at 13.168,89.744 h1.27 r90